# Altium PCB host_board.PcbDoc (part 2 of 8) (continued)
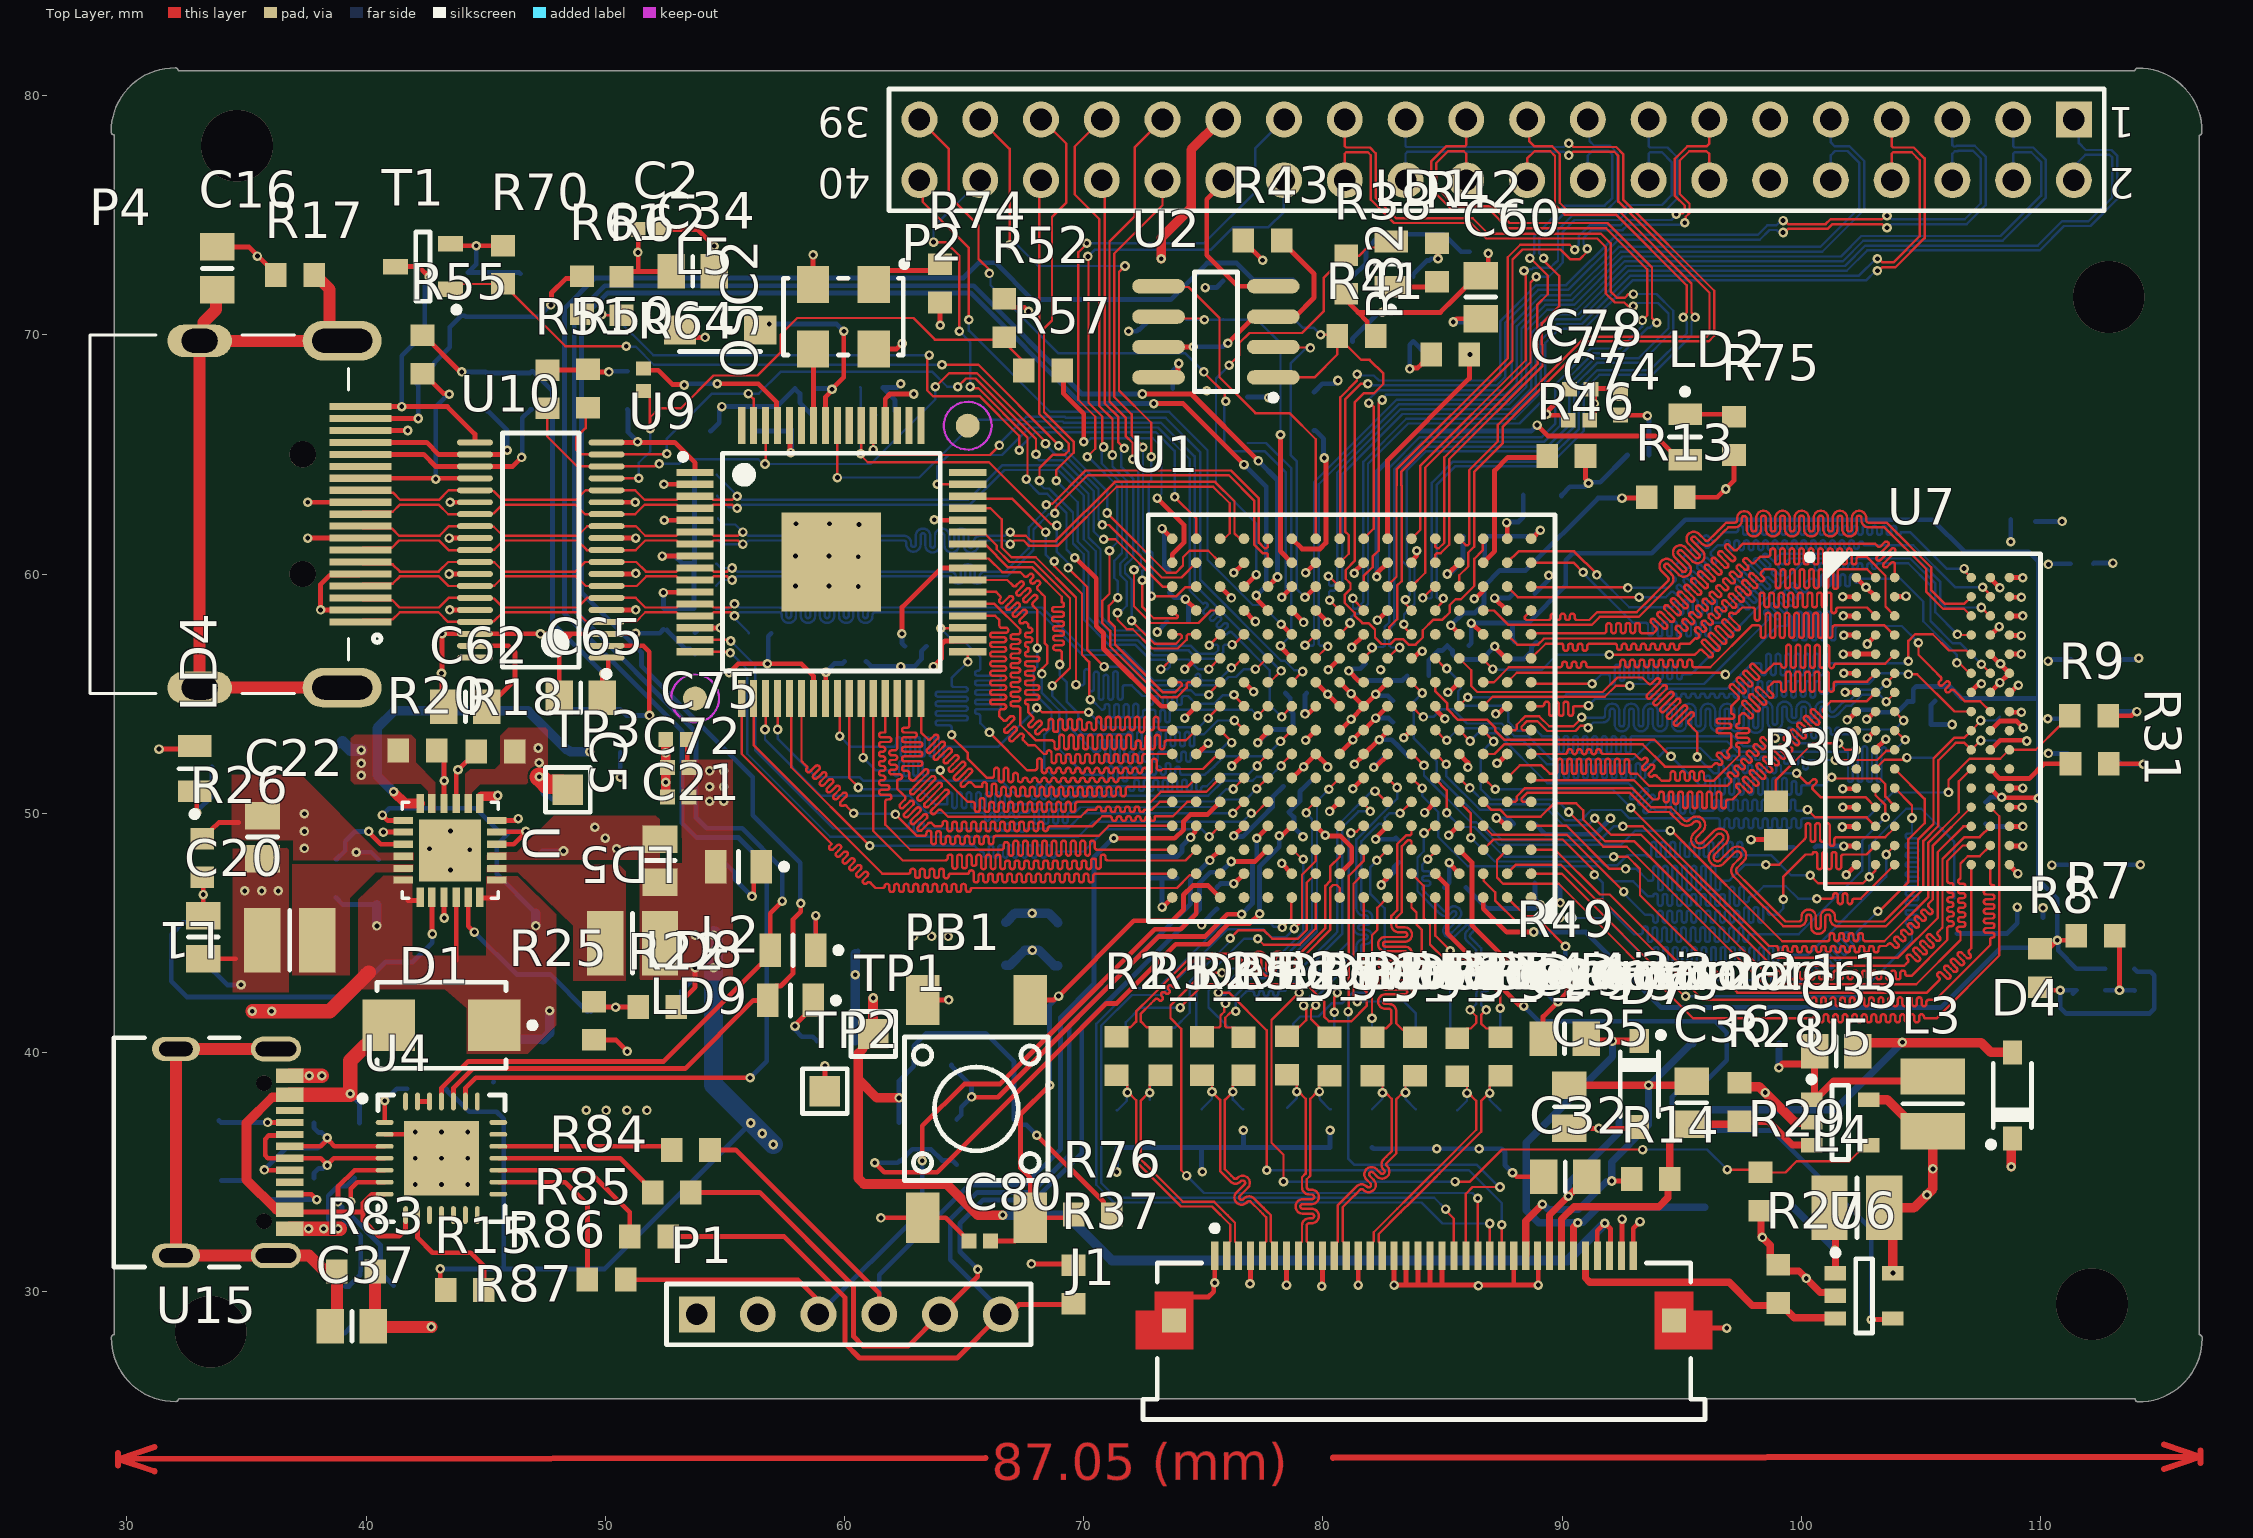
[diagram p0: Top Layer view]
## Nets (pads, with @x,y where several pads share a name; then routed paths per layer and width w, separated by ;. In a path a pad name is that pad's centre, name@x,y a point inside that pad or via, vN(x,y) a via of type N, cw(c..) or ccw(c..) an arc to the next point about the centre after c; other vN are vias at no path point) (continued)
  Top Layer w0.2: C20.2@33.27,43.84 C20.2@33.19,43.92 34.54,43.92 ; U.19@44.755,50.406 44.755,50.66 U.19@44.807,50.712 ; v1@45.472,50.712 v1(45.5,50.74) ; v1(52.45,63.75) U9.2@53.75,63.75 ; L5.2@53.655,70.2 L5.2@53.345,69.89 ; U9.14@53.75,57.75 53.753,57.747 v1(54.8,57.747) ; v1(54.17,69.89) L5.2@53.345,69.89 ; U9.60@57.7,66.2 57.725,66.175 57.725,65.1 v1(57.75,65.075) ; U9.24@59.2,54.8 59.213,54.813 59.213,55.888 v1(59.225,55.9) ; U9.52@61.7,66.2 61.7,67.325 61.9,67.525 v1(62.893,67.525) ; v1(62.4,57.5) 62.406,57.506 62.406,58.616 64.039,60.25 U9.40@65.15,60.25 ; v4(68.04,36.54) 70.825,33.755 70.825,33.58 R76.2@71.175,33.23 ; v1@76.281,47.056 U1.B13@76.7,47.475 ; U1.D10@79.7,49.475 v1(80.1,49.075) 80.125,49.05 80.726,49.05 81.199,48.577 81.199,47.974 U1.B9@80.7,47.475 ; v1@82.25,49.025 U1.D7@82.7,49.475 ; v1@85.275,47.9 U1.B4@85.7,47.475 ; J1.33@91.475,31.5 91.47,31.505 91.47,32.549 v1(91.782,32.861) 92.025,32.618 92.025,31.55 J1.34@91.975,31.5 ; L5.2@53.165,69.89 52.905,70.15 52.705,69.95 52.765,69.89 L5.2@53.165,69.89 ; L5.2@53.165,69.89 L5.2@53.345,69.89 ; L5.2@53.165,69.89 53.255,69.8 L5.2@53.345,69.89
  Top Layer w0.4: U.19@44.807,50.712 v1@45.472,50.712 ; v1(61.2,42.275) 61.19,42.265 61.19,40.78 TP1.1@61.2,40.77 60.765,40.335 60.765,40.155 60.575,39.965 60.575,38.87 ; v1(62.28,38.1) 61.345,38.1 60.575,38.87 ; v1(66.61,33.2) 65.56,33.2 64.26,34.5 60.809,34.5 60.575,34.734 60.575,38.87
  Power w0.2: v1(45.5,50.74) v1@45.51,50.75 ; 62.893,66.74 v1(62.893,67.525)
  Power w0.8: v1(34.93,46.75) v1(35.64,46.75) v1(36.33,46.75) ; v1@36.33,46.79 36.33,50.42 39.71,53.8 42.6,53.8 ; v1(45.5,50.74) 46.381,50.74 47.865,49.256 48.664,49.256 52.064,45.856 52.064,42.735 52.532,42.266 62.03,42.266 ; v1@45.51,50.75 45.51,53.716
  Bottom Layer w0.2: R23.2@33.18,43.83 34.19,42.82 v1@34.787,42.82 ; C69.2@53.75,57.55 53.947,57.747 v1(54.8,57.747) ; C27.2@56.2,65.975 57.704,65.975 C67.2@57.779,66.05 57.779,64.996 v1@57.75,65.025 ; v1(59.225,55.9) 59.579,56.254 59.909,56.254 C68.2@60,56.345 ; R47.2@62.29,37.06 62.28,37.07 v1(62.28,38.1) 62.28,38.805 62.893,39.418 62.893,40.28 63.408,40.795 65.9,40.795 67.09,39.605 U8.4@67.09,37.2 67.315,36.975 67.605,36.975 v4(68.04,36.54) ; v1(62.4,57.5) 62.4,57.104 C3.2@62.525,56.979 ; C70.2@75.566,46.9 75.722,47.056 v1(76.275,47.056) ; v1@79.175,49.025 78.785,49.415 78.785,49.84 C41.2@78.575,50.05 79.04,50.515 79.04,50.915 C38.2@79.25,51.125 C38.2@79.46,51.335 ; v1(80.1,49.075) v1@80.138,49.113 ; v1(82.2,48.91) 82.985,48.91 83.05,48.975 C71.2@83.175,48.85 ; C66.2@85.075,46.9 85.275,47.1 v1(85.275,47.925)
  Bottom Layer w0.4: v1(66.61,33.2) 69.275,33.2 71.175,31.3 90.221,31.3 v1(91.782,32.861)
  other v1: 34.77,42.83 79.167,49.017
3V3: C2.2 C5.2 C8.2 C12.2 C19.2 C21.2 C26.2 C28.2 C34.2 C42.2 C44.2 C45.2 C46.2 C48.2 C53.2 C55.2 C60.2 C72.2 C74.2 C75.2 C76.2 C77.2 C78.2 J1.35 J1.36 L2.2 L3.1 L4.1 LD5.2 OSC1.4 OSC2.4 P1.2 P2.29 R15.1 R16.2 R22.2 R34.1 R35.2 R36.1 R37.2 R38.2 R40.2 R41.2 R43.2 R45.2 R46.2 R50.2 R51.2 R52.2 R53.2 R58.2 R60.2 R63.2 R67.2 R68.2 R69.2 R71.2 R72.1 R73.1 R74.2 R88.1 R89.1 U1.D15 U1.E5 U1.F8 U1.F11 U1.G10 U1.G13 U1.H6 U1.J10 U1.J15 U1.K13 U1.L6 U1.L9 U1.N7 U1.N10 U1.N15 U1.R4 U1.R8 U1.R13 U2.8 U5.5 U6.5 U9.5 U9.8 U9.11 U9.23 U9.34 U9.44 U.24 | length 172.3
  Top Layer w0.2: v1(43.1,30.95) 43.1,30.3 R15.1@43.325,30.075 ; R51.2@47.575,68.525 49.25,68.525 R50.2@49.275,68.55 49.375,68.45 v1(50.15,68.45) ; C2.2@52.272,74.4 53.86,74.4 v1(54.55,73.71) C34.2@54.55,72.65 ; v1(52.379,60.75) U9.8@53.75,60.75 ; v1@52.45,59.225 52.463,59.238 53.737,59.238 U9.11@53.75,59.25 ; v1(52.463,62.25) U9.5@53.75,62.25 ; R22.2@52.971,41.9 52.971,41.95 53.75,42.729 v1(53.75,43.54) ; C75.2@53.425,53.084 53.425,51.986 C5.2@53.5,51.911 ; v1(55.174,55.875) 55.549,56.25 v1(56.775,56.25) 58.199,56.25 58.7,55.749 U9.23@58.7,54.8 ; OSC2.4@61.62,69.01 OSC2.4@61.22,69.41 62.181,69.41 v1(62.406,69.635) ; v1(63.718,56.128) 64.05,56.459 64.05,57.05 64.2,57.2 65.1,57.2 U9.34@65.15,57.25 ; v1(63.748,62.266) 63.764,62.25 U9.44@65.15,62.25 ; R74.2@63.99,71.35 63.99,70.41 v1(64,70.4) ; R52.2@66.675,71.5 67.025,71.15 67.519,71.15 v1(67.694,70.975) ; v1(67.81,31.16) 69.515,31.16 R37.2@69.575,31.1 ; U2.8@73.125,68.22 73.752,68.22 73.937,68.405 73.937,68.762 v1(73.975,68.8) ; v1(74.225,53.975) 74.225,54 U1.J15@74.7,54.475 ; v1(74.25,58.95) 74.725,58.475 U1.N15@74.7,58.475 ; v1(74.467,48.986) 74.467,49.04 74.652,49.225 74.652,49.427 U1.D15@74.7,49.475 ; v1(76.189,51.975) 76.7,52.486 U1.G13@76.7,52.475 ; v1@76.225,60 U1.R13@76.7,60.475 ; R43.2@76.675,73.95 76.675,73.9 77.025,73.55 77.038,73.55 v1(77.476,73.113) ; U1.K13@76.7,55.475 v1(77.1,55.075) ; U1.F11@78.7,51.475 78.725,51.475 78.725,51.487 v1@79.063,51.825 ; v1(79.191,51.939) 79.191,51.954 79.7,52.463 U1.G10@79.7,52.475 80.195,51.98 v1(80.195,51.933) ; v3@79.275,54.05 U1.J10@79.7,54.475 ; U1.N10@79.7,58.475 v1(80.2,57.975) ; v1(80.225,56) U1.L9@80.7,56.475 ; R38.2@80.7,71.7 81.466,70.934 ; v1@81.25,60.025 U1.R8@81.7,60.475 ; v3@81.275,51.05 U1.F8@81.7,51.475 ; R41.2@82.2,69.95 81.85,70.3 81.85,70.55 81.466,70.934 ; v1@82.275,58 82.275,58.05 U1.N7@82.7,58.475 ; v1@83.378,53.153 U1.H6@83.7,53.475 ; U1.L6@83.7,56.475 83.768,56.475 84.029,56.737 84.112,56.737 v1(84.15,56.775) ; v1@84.275,50.05 U1.E5@84.7,50.475 ; v1(85.2,60) 85.225,60 U1.R4@85.7,60.475 ; v1(86.911,73.4) 86.911,72.786 C60.2@86.6,72.475 86.45,72.475 85.534,71.559 84.909,70.934 v1(82.479,70.934) 81.466,70.934 ; R46.2@90.975,64.925 90.975,63.975 91.1,63.85 v1(91.1,63.796) ; C74.2@91.153,66.425 91.325,66.597 91.325,67.125 91.35,67.15 91.35,67.578 C78.2@91.203,67.725 91.238,67.76 C77.2@92.433,67.76 ; J1.35@92.475,31.5 92.505,31.53 v1(92.505,33.034) ; J1.36@92.975,31.5 92.975,32.651 v1(93.254,32.93)
  Top Layer w0.4: v1(41.15,50.895) 41.639,50.406 U.24@42.265,50.406 U.24@42.25,50.421 ; C72.2@53.425,50.758 C72.2@53.5,50.683 ; v1(73.236,73.175) 73.236,74.046 74.49,75.3 74.49,77.74 75.75,79 P2.29@75.833,79 ; U5.5@102.825,38.025 103.59,38.025 104.91,36.705 L3.1@105.5,36.705 105.5,34.294 v1(105.251,34.045) 104.706,33.5 L4.1@103.466,33.5 103.825,33.141 v1(103.825,30.775)
  Power w0.2: v1(52.379,60.75) v1@52.45,60.821 ; v1@52.463,62.196 v1(52.463,62.25) ; v1(62.35,67.95) v1@62.378,67.978 ; v1(63.718,56.128) v1@63.744,56.103
  Power w0.8: v1@53.8,44.85 v1(62.893,44.85) v1(63.64,44.85) v1@64.32,44.85
  Bottom Layer w0.2: v1(43.1,30.95) 45.82,30.95 ; R16.2@43.36,38.47 43.36,38.42 43.71,38.07 43.76,38.07 44.31,37.52 45.45,37.52 45.75,37.22 45.75,31.02 45.82,30.95 ; v1(50.15,68.45) 50.15,68.496 50.171,68.475 R53.2@50.925,68.475 ; v1(52.379,60.75) 52.9,60.75 53.21,60.44 53.696,60.44 R67.2@53.704,60.432 ; v1(52.43,59.225) C76.2@52.43,58.58 52.457,58.553 R73.1@53.7,58.553 53.702,58.555 53.702,60.43 R67.2@53.704,60.432 ; v1(52.463,62.25) 53.69,62.25 R69.2@53.722,62.282 ; C19.2@53.132,41.668 53.185,41.721 53.185,42.575 53.75,43.14 v1(53.75,43.54) ; R89.1@53.72,64.16 53.73,64.15 53.73,63.28 R88.1@53.74,63.27 53.722,63.252 R69.2@53.722,62.282 ; R69.2@53.77,62.33 R69.2@53.722,62.282 ; v1(56.08,37.05) 49.98,30.95 45.82,30.95 ; v1(56.775,56.25) 56.813,56.288 56.813,57.398 R72.1@56.94,57.525 ; R60.2@62.27,66.65 62.115,66.805 62.115,67.26 61.595,67.78 R63.2@61.595,67.8 62.2,67.8 v1(62.35,67.95) ; C44.2@72.675,48.19 C48.2@73.909,48.19 74.109,48.391 74.109,48.633 74.462,48.986 v1(74.467,48.986) ; C53.2@73.575,59.225 73.785,59.015 74.131,59.015 74.375,58.771 C45.2@74.375,58 ; C46.2@73.725,67.75 73.725,68.496 73.975,68.746 v1(73.975,68.8) ; v1(75.075,71.975) 75.55,71.975 R40.2@75.825,72.25 ; R36.1@76.85,67.4 77.7,67.4 v1(77.725,67.375) ; v3(79.25,54.15) 79.25,54.95 C55.2@79.325,55.025 ; R45.2@79.625,67.6 79.975,67.95 80.485,67.95 v1(80.625,68.09) ; OSC1.4@81.23,69.725 81.23,69.825 v1@82.3,70.895 ; v1(85.2,60) 85.238,60.038 85.347,60.038 C42.2@85.86,60.551 85.86,61.56 C12.2@85.875,61.575 ; R34.1@89.975,63.25 89.975,63.3 90.325,63.65 90.954,63.65 v1(91.1,63.796) 91.138,63.834 91.59,63.834 C8.2@92.731,64.975 ; R67.2@53.704,60.432 53.722,60.45 R69.2@53.722,62.282
  Bottom Layer w0.4: v1(41.15,50.895) 40.46,51.585 40.46,53.56 41.175,54.275 46.775,54.275 48.425,52.625 R58.2@48.475,52.625 48.525,52.575 v1(49.35,52.575) ; C28.2@66.747,45.435 67.133,45.821 v1(67.841,45.821) 68.523,45.821 C26.2@68.922,45.423
  Bottom Layer w0.8: v1@54.525,44.88 v1(54.525,43.54) 54.525,38.645 56.1,37.07 v1(57.02,36.15)
  other v1: 105.5,35.13 56.56,36.61 54.525,44.223 64.328,44.85 53.75,44.9 54.525,44.9 84.25,50.025 54.36,50.5 54.95,50.5 54.36,51.11 54.95,51.11 54.36,51.77 54.95,51.78 83.379,53.153 82.277,58.075 81.304,60.028 76.275,60.05 91.35,67.125
  other v3: 81.25,51.025
5V: C65.2 R54.2 R55.2 R56.2 U10.1 | length 21
  Top Layer w0.2: R55.2@42.35,69.975 42.4,69.975 43.945,68.43 v1@43.97,68.43 ; C65.2@49.875,54.825 49.875,55.775 v1(49.925,55.825) 50.12,56.02 50.12,56.477 50.097,56.5 U10.1@50.05,56.5
  Bottom Layer w0.2: v1(44,68.45) 45,68.45 R56.2@45.05,68.4 46.85,68.4 R54.2@46.925,68.475 46.975,68.475 47.79,67.66 47.79,57.96 v1(49.925,55.825)
5V_IN: C17.2 C18.2 C24.2 C25.2 D1.1 LD4.2 P2.11 R24.2 U.1 U.6 U.7 U.10 U.12 U.13 U.16 U.17 | length 138.6
  Top Layer w0.2: v1(31.34,52.68) 32.61,52.68 LD4.2@32.64,52.71 ; v1(40.681,49.921) 40.908,49.695 U.1@41.554,49.695 ; 41.74,46.35 42.213,46.35 42.265,46.402 U.7@42.265,46.494 ; 43.764,43.84 U.10@43.764,46.494 ; U.12@44.755,46.494 44.799,46.45 45.45,46.45 ; U.16@45.466,48.704 46.164,48.704 46.672,49.212 46.657,49.227 45.481,49.227 U.17@45.466,49.212
  Top Layer w0.6: v1@35.25,41.72 v1(36.05,41.72) 38.48,41.72 40,43.24 40.007,43.24 40.11,43.343
  Power w0.6: v1(36.05,41.72) 32.5,41.72 31.3,42.92 31.3,53.05 31,53.35 31,71.02 32.47,72.49 36.83,72.49 38.94,74.6 93.724,74.6 94.484,73.84 96.12,73.84 97.42,75.14 97.42,77.7 P2.11@98.72,79
  Bottom Layer w0.2: R24.2@38.73,46.48 39.03,46.18 C18.2@40.45,46.18 ; v1(40.681,49.921) 40.968,50.208 44.582,50.208 45.547,49.243 46.033,49.243 ; v1(46.68,49.243) 46.033,49.243 ; C17.2@47.1,45.82 45.46,47.46 45.46,48.67 46.033,49.243
  Bottom Layer w0.4: v1(40.45,45.29) C18.2@40.45,46.18 ; C25.2@45.31,40.55 47.37,40.55 C24.2@47.39,40.53 47.67,40.81 v1(47.67,41.74) ; v1(47.1,45.29) C17.2@47.1,45.82
  other v1: 35.24,41.72
B1_FB: C20.1 R23.1 R26.2 U.8 | length 20.3
  Top Layer w0.2: R26.2@33.15,47.325 33.19,47.285 C20.1@33.19,45.72 ; U.8@42.748,46.494 42.759,46.483 42.759,44.961 v1(42.77,44.95)
  Bottom Layer w0.2: v1(33.19,46.6) 33.19,45.44 R23.1@33.18,45.43 33.17,45.44 32.36,45.44 31.85,44.93 31.85,42.98 32.51,42.32 39.37,42.32 40.83,43.78 41.95,43.78 42.76,44.59 42.76,44.94 v1(42.77,44.95)
B2_FB: C19.1 C23.2 R22.1 R25.2 U.11 | length 11.6
  Top Layer w0.2: U.11@44.272,46.494 44.272,45.283 v1(44.525,45.03) ; R25.2@49.57,41.79 49.68,41.9 R22.1@51.371,41.9
  Bottom Layer w0.2: v1(44.525,45.03) 46.295,43.26 47.69,43.26 C23.2@49.25,41.7 ; C23.2@49.4,41.7 49.61,41.91 51.09,41.91 C19.1@51.332,41.668
  other v1: 50.43,41.89
CFG_CCLK: R40.1 R44.2 U1.R11 U2.6 | length 16.5
  Top Layer w0.1: U2.6@73.925,70.76 U2.6@73.125,70.76 73.203,70.682 74.988,70.682 v1(75.045,70.625)
  Top Layer w0.2: v1(78.225,65.825) 78.225,60.95 U1.R11@78.7,60.475
  Bottom Layer w0.1: R44.2@74.29,70.625 v1(75.045,70.625) R40.1@75.8,70.625 ; R40.1@75.825,70.65 R40.1@75.8,70.625 ; v1(78.225,65.825) 78.225,69.65 77.25,70.625 R40.1@75.8,70.625
CFG_CS: R39.1 R41.1 U1.T3 U2.1 | length 29.4
  Top Layer w0.1: U2.1@77.925,68.22 79.645,68.22 80.6,69.175 R41.1@80.6,69.95 ; v1(79.9,70) 80.55,70 R41.1@80.6,69.95 ; U1.T3@86.7,61.475 86.675,61.45 86.675,60.98 86.325,60.63 86.325,59.499 85.772,58.946 85.546,58.946 85.297,58.697 85.297,58.397 84.98,58.08 84.605,58.08 84.175,57.65 84.175,57.351 83.874,57.05 83.577,57.05 83.349,57.278 83.033,57.278 82.83,57.075 82.45,57.075 82.175,57.35 82.175,57.679 81.91,57.945 81.65,57.945 81.325,58.27 81.325,58.38 80.904,58.801 80.904,59.123 81.15,59.369 81.15,59.602 80.95,59.802 80.95,60.169 81.325,60.544 81.325,67.175 81.7,67.55 82.122,67.55 82.525,67.953 82.525,68.375 81.95,68.95 81.6,68.95 R41.1@80.6,69.95
  Bottom Layer w0.1: R39.1@78.475,70.925 R39.1@78.525,70.925 ; R39.1@78.75,70.7 79.15,70.3 79.6,70.3 v1(79.9,70)
CFG_DONE: LD1.2 R38.1 U1.P13 | length 20.4
  Top Layer w0.1: v1(76.075,68.725) 76.5,69.15 76.5,69.65 76.925,70.075 79.125,70.075 80.025,70.975 80.025,72.375 80.525,72.875 80.525,72.925 80.925,73.325 R38.1@80.975,73.325 ; R38.1@80.975,73.3 81.5,73.3 81.85,73.65 LD1.2@82.85,73.65
  Top Layer w0.2: U1.P13@76.7,59.475 76.712,59.475 v1(77.213,59.975)
  Bottom Layer w0.1: v1@76.08,68.72 75.529,68.169 75.529,63.796 77.213,62.112 v1(77.213,59.975)
CFG_MISO: U1.P10 U2.2 | length 13.3
  Top Layer w0.1: U2.2@77.925,69.49 77.945,69.47 79.455,69.47 v1(79.475,69.45)
  Top Layer w0.2: v1(79.25,59.025) U1.P10@79.7,59.475
  Bottom Layer w0.1: v1(79.25,59.025) 79.25,59.075 79.2,59.075 78.9,59.375 78.9,64.725 78.65,64.975 78.65,68.8 79.3,69.45 v1(79.475,69.45)
CFG_MOSI: U1.T10 U2.5 | length 14.8
  Top Layer w0.1: U2.5@73.125,72.03 73.155,72 74.375,72 75.675,70.7 75.675,68.225 77.175,66.725 78.608,66.725 79.7,65.633 U1.T10@79.7,61.475
CLK_25: OSC2.3 U9.58 | length 3.2
  Top Layer w0.2: OSC2.3@58.68,69.41 58.7,69.39 U9.58@58.7,66.2
DDR_A0: U1.K5 U7.N3 | length 34.6
  Top Layer w0.1: U1.K5@84.7,55.475 84.7,55.089 85.2,54.589 85.2,54.35 85.65,53.9 86.875,53.9 87.21,53.565 87.21,53.435 87.57,53.075 93.85,53.075 v1(94.55,52.375) ; v1(101.272,51.5) 101.322,51.45 103.275,51.45 103.513,51.212 103.513,50.692 103.855,50.35 103.855,50.295 U7.N3@103.9,50.25
  Bottom Layer w0.1: v1(94.55,52.375) 95.75,51.175 95.89,51.175 ccw(c95.89,51.275) 95.99,51.275 95.99,51.475 cw(c96.09,51.475) 96.09,51.575 cw(c96.09,51.475) 96.19,51.475 96.19,51.175 96.19,50.875 ccw(c96.29,50.875) 96.29,50.775 ccw(c96.29,50.875) 96.39,50.875 96.39,51.175 96.39,51.375 cw(c96.49,51.375) 96.49,51.475 cw(c96.49,51.375) 96.59,51.375 96.59,51.175 96.59,50.875 ccw(c96.69,50.875) 96.69,50.775 ccw(c96.69,50.875) 96.79,50.875 96.79,51.175 96.79,51.377 cw(c96.89,51.377) 96.89,51.477 cw(c96.89,51.377) 96.99,51.377 96.99,51.175 96.99,50.875 ccw(c97.09,50.875) 97.09,50.775 ccw(c97.09,50.875) 97.19,50.875 97.19,51.175 97.19,51.377 cw(c97.29,51.377) 97.29,51.477 cw(c97.29,51.377) 97.39,51.377 97.39,51.175 97.39,50.875 ccw(c97.49,50.875) 97.49,50.775 ccw(c97.49,50.875) 97.59,50.875 97.59,51.175 97.59,51.377 cw(c97.69,51.377) 97.69,51.477 cw(c97.69,51.377) 97.79,51.377 97.79,51.175 97.79,50.875 ccw(c97.89,50.875) 97.89,50.775 ccw(c97.89,50.875) 97.99,50.875 97.99,51.175 97.99,51.377 cw(c98.09,51.377) 98.09,51.477 cw(c98.09,51.377) 98.19,51.377 98.19,51.175 98.19,50.875 ccw(c98.29,50.875) 98.29,50.775 ccw(c98.29,50.875) 98.39,50.875 98.39,51.175 98.39,51.377 cw(c98.49,51.377) 98.49,51.477 cw(c98.49,51.377) 98.59,51.377 98.59,51.175 98.59,50.875 ccw(c98.69,50.875) 98.69,50.775 ccw(c98.69,50.875) 98.79,50.875 98.79,51.175 98.79,51.377 cw(c98.89,51.377) 98.89,51.477 cw(c98.89,51.377) 98.99,51.377 98.99,51.175 98.99,50.875 ccw(c99.09,50.875) 99.09,50.775 ccw(c99.09,50.875) 99.19,50.875 99.19,51.175 99.19,51.375 cw(c99.29,51.375) 99.29,51.475 cw(c99.29,51.375) 99.39,51.375 99.39,51.175 99.39,50.875 ccw(c99.49,50.875) 99.49,50.775 ccw(c99.49,50.875) 99.59,50.875 99.59,51.175 99.59,51.239 cw(c99.69,51.239) 99.69,51.339 cw(c99.69,51.239) 99.79,51.239 99.79,51.175 99.79,50.875 ccw(c99.89,50.875) 99.89,50.775 ccw(c99.89,50.875) 99.99,50.875 99.99,51.075 cw(c100.09,51.075) 100.09,51.175 100.19,51.175 100.33,51.175 100.947,51.175 v1(101.272,51.5)
DDR_A1: U1.K6 U7.P7 | length 34.5
  Top Layer w0.1: U1.K6@83.7,55.475 v1(84.15,55.025) ; v1(92.54,49.45) 93.367,49.45 98.867,43.95 104.025,43.95 105.7,45.625 105.7,48.375 106.775,49.45 U7.P7@107.1,49.45
  Bottom Layer w0.1: v1(84.15,55.025) 83.8,54.675 83.8,53.125 84.75,52.175 84.75,51.6 87.475,48.875 91.575,48.875 92.15,49.45 v1(92.54,49.45)
DDR_A2: U1.D1 U7.P3 | length 34.7
  Top Layer w0.1: U1.D1@88.7,49.475 90.18,49.475 91.982,47.673 v1(92.65,47.673) ; v1(98.517,47.85) 99.075,47.85 100.08,48.855 100.13,48.905 ccw(c100.009,49.026) 100.18,49.026 100.18,49.484 cw(c100.28,49.484) 100.38,49.484 100.38,48.9 ccw(c100.48,48.9) 100.58,48.9 100.58,49.484 cw(c100.68,49.484) 100.78,49.484 100.78,48.9 ccw(c100.88,48.9) 100.98,48.9 100.98,49.484 cw(c101.08,49.484) 101.18,49.484 101.18,48.729 ccw(c101.28,48.729) 101.38,48.729 101.38,48.9 cw(c101.48,48.9) 101.48,49 101.73,49 103.508,49 103.9,49.392 U7.P3@103.9,49.45
  Bottom Layer w0.1: v1(92.65,47.673) 93.102,47.673 93.6,47.175 93.709,47.175 ccw(c93.709,47.275) 93.809,47.275 93.809,47.7 cw(c93.909,47.7) 93.909,47.8 cw(c93.909,47.7) 94.009,47.7 94.009,47.175 94.009,46.875 ccw(c94.109,46.875) 94.109,46.775 ccw(c94.109,46.875) 94.209,46.875 94.209,47.175 94.209,47.7 cw(c94.309,47.7) 94.309,47.8 cw(c94.309,47.7) 94.409,47.7 94.409,47.175 94.409,46.875 ccw(c94.509,46.875) 94.509,46.775 ccw(c94.509,46.875) 94.609,46.875 94.609,47.175 94.609,47.7 cw(c94.709,47.7) 94.709,47.8 cw(c94.709,47.7) 94.809,47.7 94.809,47.175 94.809,46.875 ccw(c94.909,46.875) 94.909,46.775 ccw(c94.909,46.875) 95.009,46.875 95.009,47.175 95.009,47.7 cw(c95.109,47.7) 95.109,47.8 cw(c95.109,47.7) 95.209,47.7 95.209,47.175 95.209,46.875 ccw(c95.309,46.875) 95.309,46.775 ccw(c95.309,46.875) 95.409,46.875 95.409,47.175 95.409,47.7 cw(c95.509,47.7) 95.509,47.8 cw(c95.509,47.7) 95.609,47.7 95.609,47.175 95.609,46.875 ccw(c95.709,46.875) 95.709,46.775 ccw(c95.709,46.875) 95.809,46.875 95.809,47.175 95.809,47.7 cw(c95.909,47.7) 95.909,47.8 cw(c95.909,47.7) 96.009,47.7 96.009,47.175 96.009,46.875 ccw(c96.109,46.875) 96.109,46.775 ccw(c96.109,46.875) 96.209,46.875 96.209,47.175 96.209,47.7 cw(c96.309,47.7) 96.309,47.8 cw(c96.309,47.7) 96.409,47.7 96.409,47.175 96.409,46.875 ccw(c96.509,46.875) 96.509,46.775 ccw(c96.509,46.875) 96.609,46.875 96.609,47.075 cw(c96.709,47.075) 96.709,47.175 96.809,47.175 96.975,47.175 97.025,47.225 97.65,47.85 v1(98.517,47.85)
DDR_A3: U1.L4 U7.N2 | length 34.9
  Top Layer w0.1: U1.L4@85.7,56.475 86.2,55.975 86.2,55.319 86.453,55.066 91.7,55.066 92.308,55.675 93.35,55.675 93.6,55.425 ccw(c93.671,55.496) 93.741,55.425 93.925,55.609 cw(c93.996,55.538) 94.067,55.609 cw(c93.996,55.538) 94.067,55.467 93.812,55.213 93.558,54.958 ccw(c93.628,54.888) 93.558,54.817 ccw(c93.628,54.888) 93.699,54.817 93.954,55.071 94.208,55.326 cw(c94.279,55.255) 94.349,55.326 cw(c94.279,55.255) 94.349,55.184 94.095,54.93 93.841,54.676 ccw(c93.911,54.605) 93.841,54.534 ccw(c93.911,54.605) 93.982,54.534 94.236,54.789 94.491,55.043 cw(c94.561,54.972) 94.632,55.043 cw(c94.561,54.972) 94.632,54.902 94.378,54.647 94.123,54.393 ccw(c94.194,54.322) 94.123,54.251 ccw(c94.194,54.322) 94.265,54.251 94.519,54.506 94.774,54.76 cw(c94.844,54.689) 94.915,54.76 cw(c94.844,54.689) 94.915,54.619 94.661,54.364 94.406,54.11 ccw(c94.477,54.039) 94.406,53.969 ccw(c94.477,54.039) 94.548,53.969 94.802,54.223 95.056,54.477 cw(c95.127,54.407) 95.198,54.477 cw(c95.127,54.407) 95.198,54.336 94.944,54.081 94.689,53.827 ccw(c94.76,53.756) 94.689,53.686 ccw(c94.76,53.756) 94.831,53.686 95.085,53.94 95.339,54.194 cw(c95.41,54.124) 95.481,54.194 cw(c95.41,54.124) 95.481,54.053 95.297,53.869 ccw(c95.368,53.799) 95.297,53.728 95.368,53.657 95.5,53.525 95.65,53.375 v1(95.65,52.35) ; v1(99.8,51.675) 100.168,51.308 100.203,51.272 ccw(c100.274,51.343) 100.344,51.272 100.468,51.396 cw(c100.539,51.325) 100.61,51.396 cw(c100.539,51.325) 100.61,51.255 100.486,51.131 ccw(c100.556,51.06) 100.486,50.989 100.65,50.825 100.8,50.675 102.675,50.675 U7.N2@103.1,50.25
  Bottom Layer w0.1: v1(95.65,52.35) 96.325,51.675 96.5,51.675 ccw(c96.5,51.725) 96.55,51.725 96.55,51.925 cw(c96.65,51.925) 96.65,52.025 cw(c96.65,51.925) 96.75,51.925 96.75,51.775 ccw(c96.85,51.775) 96.85,51.675 ccw(c96.85,51.775) 96.95,51.775 96.95,51.925 cw(c97.05,51.925) 97.05,52.025 cw(c97.05,51.925) 97.15,51.925 97.15,51.775 ccw(c97.25,51.775) 97.25,51.675 ccw(c97.25,51.775) 97.35,51.775 97.35,51.925 cw(c97.45,51.925) 97.45,52.025 cw(c97.45,51.925) 97.55,51.925 97.55,51.775 ccw(c97.65,51.775) 97.65,51.675 ccw(c97.65,51.775) 97.75,51.775 97.75,51.925 cw(c97.85,51.925) 97.85,52.025 cw(c97.85,51.925) 97.95,51.925 97.95,51.775 ccw(c98.05,51.775) 98.05,51.675 ccw(c98.05,51.775) 98.15,51.775 98.15,51.925 cw(c98.25,51.925) 98.25,52.025 cw(c98.25,51.925) 98.35,51.925 98.35,51.775 ccw(c98.45,51.775) 98.45,51.675 ccw(c98.45,51.775) 98.55,51.775 98.55,51.925 cw(c98.65,51.925) 98.65,52.025 cw(c98.65,51.925) 98.75,51.925 98.75,51.775 ccw(c98.85,51.775) 98.85,51.675 ccw(c98.85,51.775) 98.95,51.775 98.95,51.925 cw(c99.05,51.925) 99.05,52.025 cw(c99.05,51.925) 99.15,51.925 99.15,51.775 ccw(c99.25,51.775) 99.25,51.675 99.35,51.675 99.45,51.675 v1(99.8,51.675)
DDR_A4: U1.G5 U7.P8 | length 34.9
  Top Layer w0.1: U1.G5@84.7,52.475 84.725,52.475 v1(85.15,52.05) ; v1(91.36,49.784) 91.363,49.784 92.046,49.1 93.292,49.1 98.767,43.625 103.879,43.625 103.979,43.625 104.179,43.625 104.3,43.625 104.371,43.696 104.441,43.766 ccw(c104.371,43.837) 104.441,43.908 104.424,43.925 cw(c104.495,43.996) 104.424,44.066 cw(c104.495,43.996) 104.566,44.066 104.654,43.979 104.792,43.84 ccw(c104.863,43.91) 104.934,43.84 ccw(c104.863,43.91) 104.934,43.981 104.795,44.12 104.707,44.208 cw(c104.778,44.279) 104.707,44.349 cw(c104.778,44.279) 104.848,44.349 104.936,44.261 105.075,44.122 ccw(c105.146,44.193) 105.217,44.122 ccw(c105.146,44.193) 105.217,44.264 105.078,44.403 104.99,44.491 cw(c105.061,44.561) 104.99,44.632 cw(c105.061,44.561) 105.131,44.632 105.219,44.544 105.358,44.405 ccw(c105.429,44.476) 105.5,44.405 ccw(c105.429,44.476) 105.5,44.547 105.361,44.686 105.273,44.774 cw(c105.343,44.844) 105.273,44.915 cw(c105.343,44.844) 105.414,44.915 105.502,44.827 105.641,44.688 ccw(c105.712,44.759) 105.782,44.688 ccw(c105.712,44.759) 105.782,44.83 105.714,44.898 cw(c105.785,44.969) 105.714,45.039 105.785,45.11 105.9,45.225 105.9,45.325 105.9,45.385 105.9,48.086 106.814,49 107.45,49 U7.P8@107.9,49.45
  Bottom Layer w0.1: v1(85.15,52.05) 85.15,51.555 86.555,50.15 89.397,50.15 90.047,49.5 91.076,49.5 v1(91.36,49.784)
DDR_A5: U1.H4 U7.P2 | length 34.8
  Top Layer w0.1: U1.H4@85.7,53.475 86.15,53.025 v1(86.15,53.02) ; v1(100.255,50.152) 100.582,49.825 102.725,49.825 U7.P2@103.1,49.45
  Bottom Layer w0.1: v1(86.15,53.02) 86.478,53.348 87.278,53.348 89.377,51.25 92.775,51.25 92.937,51.088 93.001,51.024 cw(c92.931,50.953) 93.001,50.882 92.861,50.742 ccw(c92.932,50.671) 92.861,50.601 ccw(c92.932,50.671) 93.003,50.601 93.214,50.811 93.426,51.024 cw(c93.496,50.953) 93.567,51.024 cw(c93.496,50.953) 93.567,50.882 93.355,50.67 93.198,50.513 ccw(c93.269,50.442) 93.198,50.372 ccw(c93.269,50.442) 93.34,50.372 93.496,50.529 93.709,50.741 cw(c93.779,50.67) 93.85,50.741 cw(c93.779,50.67) 93.85,50.599 93.638,50.387 93.426,50.175 ccw(c93.496,50.104) 93.426,50.034 ccw(c93.496,50.104) 93.567,50.034 93.709,50.175 cw(c93.779,50.104) 93.85,50.175 93.925,50.1 94.192,50.1 94.242,50.1 ccw(c94.242,50.2) 94.342,50.2 94.342,50.65 cw(c94.442,50.65) 94.542,50.65 94.542,50.084 ccw(c94.642,50.084) 94.742,50.084 94.742,50.65 cw(c94.842,50.65) 94.942,50.65 94.942,50.084 ccw(c95.042,50.084) 95.142,50.084 95.142,50.65 cw(c95.242,50.65) 95.342,50.65 95.342,50.084 ccw(c95.442,50.084) 95.542,50.084 95.542,50.65 cw(c95.642,50.65) 95.742,50.65 95.742,50.2 ccw(c95.842,50.2) 95.842,50.1 96.009,50.1 96.25,50.1 ccw(c96.25,50.2) 96.35,50.2 96.35,50.47 cw(c96.45,50.47) 96.45,50.57 cw(c96.45,50.47) 96.55,50.47 96.55,50.2 ccw(c96.65,50.2) 96.65,50.1 ccw(c96.65,50.2) 96.75,50.2 96.75,50.47 cw(c96.85,50.47) 96.85,50.57 cw(c96.85,50.47) 96.95,50.47 96.95,50.2 ccw(c97.05,50.2) 97.05,50.1 ccw(c97.05,50.2) 97.15,50.2 97.15,50.47 cw(c97.25,50.47) 97.25,50.57 cw(c97.25,50.47) 97.35,50.47 97.35,50.2 ccw(c97.45,50.2) 97.45,50.1 ccw(c97.45,50.2) 97.55,50.2 97.55,50.47 cw(c97.65,50.47) 97.65,50.57 cw(c97.65,50.47) 97.75,50.47 97.75,50.2 ccw(c97.85,50.2) 97.85,50.1 ccw(c97.85,50.2) 97.95,50.2 97.95,50.47 cw(c98.05,50.47) 98.05,50.57 cw(c98.05,50.47) 98.15,50.47 98.15,50.2 ccw(c98.25,50.2) 98.25,50.1 ccw(c98.25,50.2) 98.35,50.2 98.35,50.47 cw(c98.45,50.47) 98.45,50.57 cw(c98.45,50.47) 98.55,50.47 98.55,50.2 ccw(c98.65,50.2) 98.65,50.1 ccw(c98.65,50.2) 98.75,50.2 98.75,50.47 cw(c98.85,50.47) 98.85,50.57 cw(c98.85,50.47) 98.95,50.47 98.95,50.2 ccw(c99.05,50.2) 99.05,50.1 ccw(c99.05,50.2) 99.15,50.2 99.15,50.47 cw(c99.25,50.47) 99.25,50.57 cw(c99.25,50.47) 99.35,50.47 99.35,50.2 ccw(c99.45,50.2) 99.45,50.1 ccw(c99.45,50.2) 99.55,50.2 99.55,50.47 cw(c99.65,50.47) 99.65,50.57 cw(c99.65,50.47) 99.75,50.47 99.75,50.2 ccw(c99.85,50.2) 99.85,50.1 99.86,50.1 100.202,50.1 v1(100.255,50.152)
DDR_A6: U1.H3 U7.R8 | length 34.3
  Top Layer w0.1: U1.H3@86.7,53.475 86.7,53.453 87.133,53.02 v1(87.133,52.998) ; v1(90.275,50.05) 91.725,48.6 92.7,48.6 98.45,42.85 104.8,42.85 106.65,44.7 106.65,44.952 106.65,45 ccw(c106.598,45) 106.598,45.052 cw(c106.598,45.152) 106.498,45.152 cw(c106.598,45.152) 106.598,45.252 106.65,45.252 106.758,45.252 ccw(c106.758,45.352) 106.858,45.352 ccw(c106.758,45.352) 106.758,45.452 106.65,45.452 cw(c106.65,45.552) 106.55,45.552 cw(c106.65,45.552) 106.65,45.652 106.758,45.652 ccw(c106.758,45.752) 106.858,45.752 ccw(c106.758,45.752) 106.758,45.852 106.65,45.852 cw(c106.65,45.952) 106.55,45.952 cw(c106.65,45.952) 106.65,46.052 106.758,46.052 ccw(c106.758,46.152) 106.858,46.152 ccw(c106.758,46.152) 106.758,46.252 106.65,46.252 cw(c106.65,46.352) 106.55,46.352 cw(c106.65,46.352) 106.65,46.452 106.758,46.452 ccw(c106.758,46.552) 106.858,46.552 ccw(c106.758,46.552) 106.758,46.652 106.65,46.652 cw(c106.65,46.752) 106.55,46.752 cw(c106.65,46.752) 106.65,46.852 106.758,46.852 ccw(c106.758,46.952) 106.858,46.952 ccw(c106.758,46.952) 106.758,47.052 106.65,47.052 cw(c106.65,47.152) 106.55,47.152 cw(c106.65,47.152) 106.65,47.252 ; 106.615,47.252 ccw(c106.615,47.287) 106.65,47.287 106.65,47.349 106.65,47.895 106.955,48.2 107.45,48.2 U7.R8@107.9,48.65 ; 106.618,47.252 106.647,47.252
  Bottom Layer w0.1: v1(87.133,52.998) 87.072,52.998 86.6,52.527 86.6,51 87.025,50.575 89.75,50.575 v1(90.275,50.05)